# KiCad board CamTracker.kicad_pcb (continued)
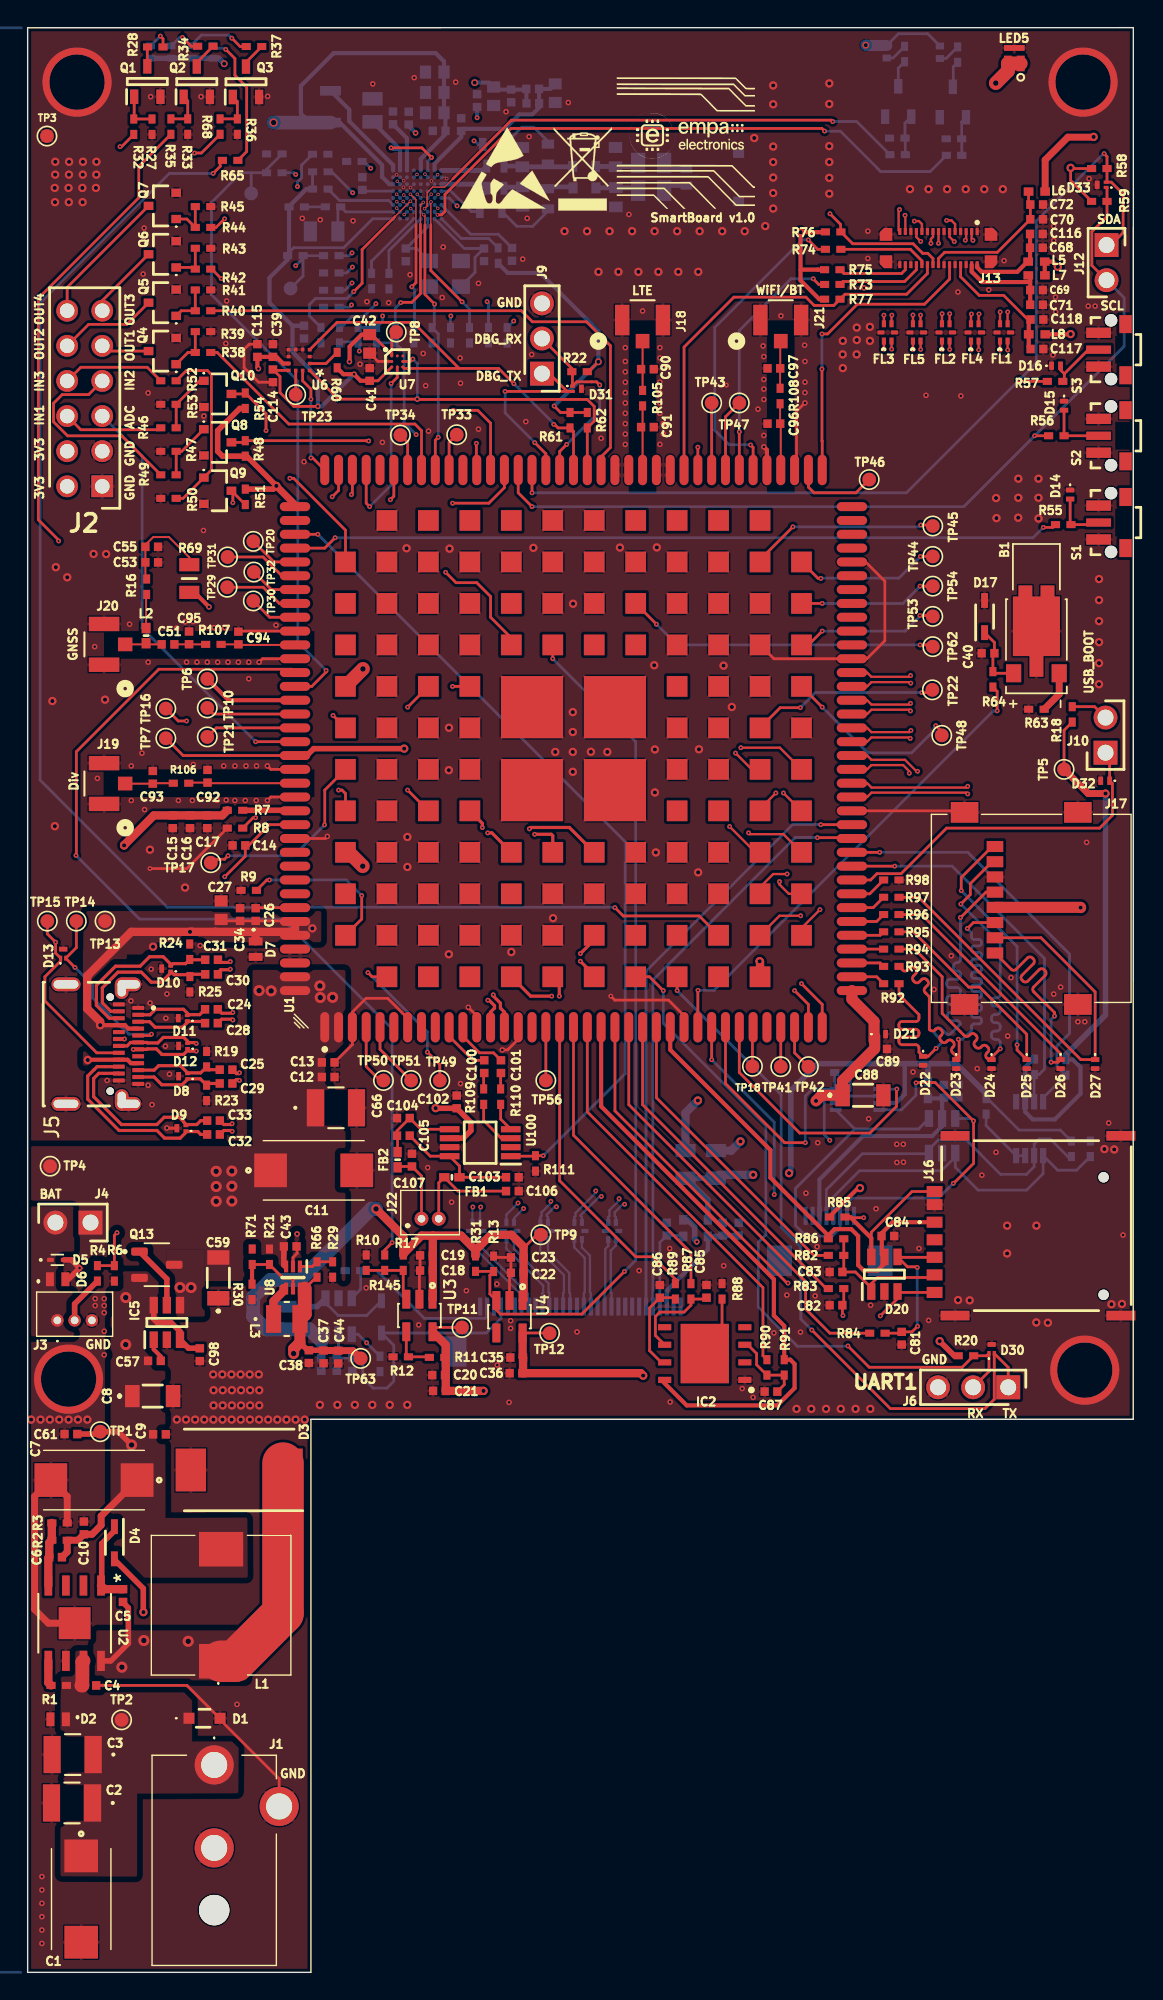
[diagram p0: board, top side]
## Routing (per net, layer and track width the routed paths; a pad name or vN(x,y) marks a point on that pad's centre or on a via; arc(x,y) is an arc through that point) (continued)
Net-(U6-CS): length 2.3
  Top w0.2: R60.1 21.59,116.35 U6.2
Net-(U6-INT2): length 1.7
  Top w0.2: U6.11 TP23.1
Net-(U8-EN): length 5.5
  Top w0.2: R71.1 R21.2 18.5,50.19 19.09,50.19 19.2,50.08 U8.5
  Top w0.3: R30.1 16.24,51.18 R71.1
Net-(U8-FB): length 2.5
  Top w0.2: U8.1 20.6,51.05 R66.2 22.07,51.39 R29.1
Net-(U8-SW): length 2.5
  Top w0.6: 18.51,49.49 18.51,49.26 17.8,48.55 L3.1
Net-(U100-IN+): length 3.7
  Top w0.2: R109.1 33,61.6 34.27,60.33 U100.3
Net-(U100-IN-): length 2.1
  Top w0.2: U100.4 34.23,61.71 R110.1
Net-(U100-VO+): length 6.1
  Top w0.2: FB2.1 26.77,60.47 C105.2 26.73,60.86 C104.2 28.45,60.97 U100.5
Net-(U100-VO-): length 8.7
  Top w0.2: C105.1 29.14,59.03 U100.8 31.25,58.31 FB1.1 C103.2

## Copper pours and planes (outline as drawn; the poured copper is in the pictures)
GND on Top, Bottom, GND1, Signal, GND2, PWR: -2.5,141.22 82.5,141.22 82.5,-2.5 -2.5,-2.5
VBAT on Top, Bottom, PWR: 23,72.5 23,50 0,50 0,59.75 16.27,59.75 16.27,72.5
VBAT on Top, Bottom, PWR: 10.08,52.25 12.83,52.25 12.83,47.42 10.08,47.42
/Power/ANODE on Top, PWR: 6,50.7 9.95,50.7 9.98,32.86 15.9,32.89 15.93,28.54 6,28.53
VUSB_BUS on Top, PWR: 7.19,73.61 7.19,65.58 4,65.58 4,76.75 21.25,76.75 21.25,74.5 9.37,74.5 9.39,73.61
Net-(C1-+) on Top, Bottom, PWR: 2.42,23.25 11.9,23.3 11.91,16.7 15.28,16.7 15.25,12.95 7.92,12.93 7.92,6.93 2.38,6.95 2.38,16.71 2.36,16.71
Net-(D3-K) on Top, Bottom, PWR: 4.75,21.12 4.75,24.74 15.85,24.74 15.85,21.12
Net-(D6-K) on Top, Bottom, PWR: 0.2,55.4 3.38,55.4 3.38,46 0.2,46

## Text on the board
B.Silkscreen: VREG_3V3 | LDO17A_3V | 5-12VDC
F.Silkscreen: BAT | GND | DBG_RX | DBG_TX | LTE | WiFi/BT | RX | TX | SDA | SCL | OUT4 | OUT2 | IN3 | IN1 | 3V3 | GNSS | Div | OUT3 | OUT1 | IN2 | ADC | USB_BOOT | UART1
